# Altium PCB main - Copy.PcbDoc (part 10 of 14) (continued)
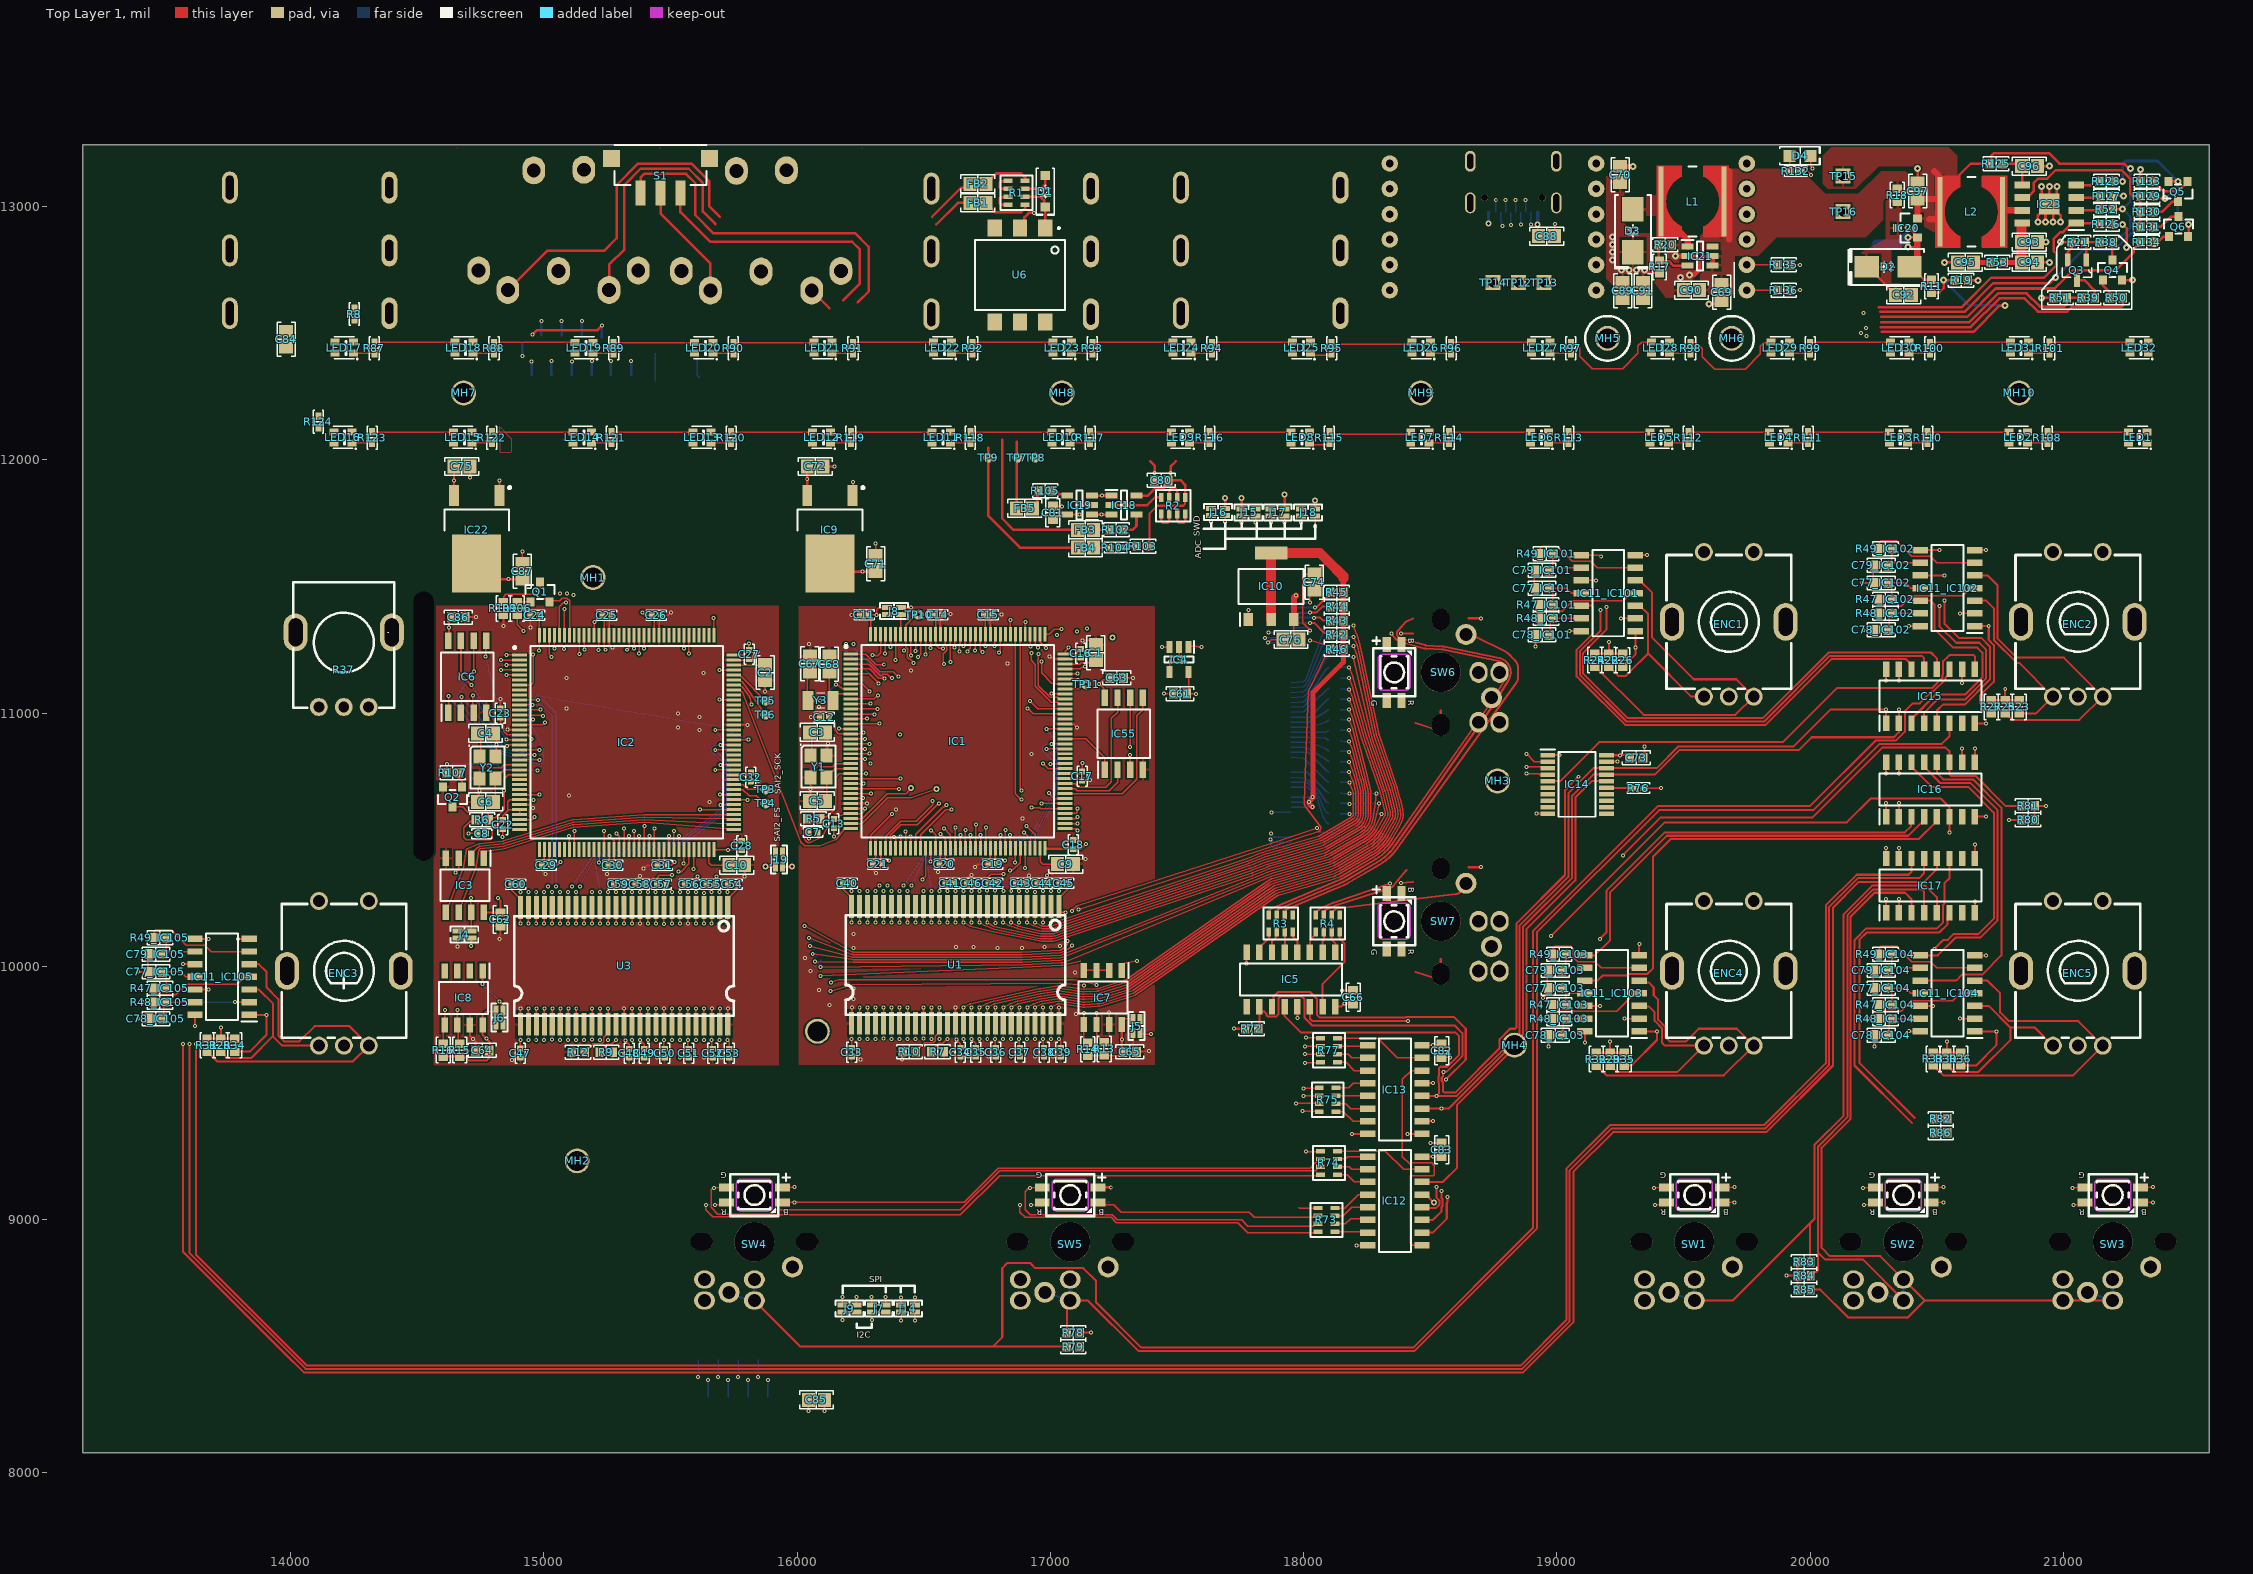
[diagram p0: Top Layer 1 view]
## Nets (pads, with @x,y where several pads share a name; then routed paths per layer and width w, separated by ;. In a path a pad name is that pad's centre, name@x,y a point inside that pad or via, vN(x,y) a via of type N, cw(c..) or ccw(c..) an arc to the next point about the centre after c; other vN are vias at no path point) (continued)
  Top Layer 1 w8: R72.1@17820,9753.82 17825,9758.82 IC5.10@17825,9830.22 ; IC5.10@17825,9841.54 IC5.10@17825,9830.22 ; IC12.10@18467.28,8948.82 18510,8948.82 18565,9003.82 18565,9066.3 18567.77,9069.07 v1(18567.77,9090.17) ; IC13.10@18467.28,9388.82 v1(18510,9388.82) ; v1(19085,10748.82) 19032,10695.82 19032,10360.82 18839.99,10168.81 18839.99,9758.51 18835.31,9753.82 18814.75,9753.82 18774.07,9713.14 18774.07,9677.89 18598,9501.82 18554.69,9501.82 18550,9506.51 18550,9542.54 18545.28,9547.26 18545.28,9561.23 18550,9565.94 18550,9576.47 18550.39,9576.86 18550.39,9582.34 v1(18551.87,9583.82) 18553.36,9585.3 18566.48,9585.3 18627,9645.82 18627,9736.82 18597.2,9766.62 18033.82,9766.62 18003.2,9797.23 18003.2,9870.61 17992.77,9881.05 17908.48,9881.05 17900,9872.57 17900,9810.5 17891.52,9802.02 17858.48,9802.02 17853.2,9807.3 17853.2,9813.33 17845.11,9821.43 17833.8,9821.43 IC5.10@17825,9830.22
  Unused w5: v1(16405.87,10915.04) 16877.93,10915.04 16955.24,10992.34 17008.68,10992.34 17073.16,10927.86 17139.9,10927.86 17271.29,11059.25 17271.29,11165.94 17345.31,11239.96 17496.15,11239.96 17834.12,11577.94 18680.88,11577.94 18840,11418.82 18840,11289.62 18928.77,11200.86 18928.77,11074.52 18852.13,10997.89 18852.13,10886.68 18884.63,10854.19 18904.63,10854.19 18915,10843.82 18955,10843.82 19050,10748.82 v1(19085,10748.82)
  Layer 3 w5: v1(16286.01,11085.73) 16333.09,11085.73 16405.87,11012.95 v1(16405.87,10915.04)
  Layer 3 w8: v1(18510,9388.82) 18510,9479.96 18508.13,9481.83 18508.13,9496.94 18521.69,9510.51 18528.31,9510.51 18531.56,9507.26 ; v1(18551.87,9583.82) 18550.66,9583.82 18537.21,9570.37 18536.24,9570.37 18531.56,9565.69 18531.56,9507.26 ; v1(18567.77,9090.17) 18567.77,9114.92 18560,9122.68 18560,9429.96 18561.87,9431.83 18561.87,9476.94 18531.56,9507.26
GUI_NRST: C7.2 IC1.25 J20.A5 R5.2 | length 5372.7
  Top Layer 1 w5: C7.2@16080,10528.82 16080,10573.23 R5.2@16090.59,10583.82 16096.92,10590.15 16117.06,10590.15 16151.63,10624.73 16151.63,10745.45 16167.05,10760.87 IC1.25@16212.24,10760.87 16212.91,10761.53 16271.42,10761.53 v1(16272.09,10762.2)
  Unused w5: v1(16421.86,11246.58) 16446.18,11246.58 16461.05,11261.44 16473.79,11261.44 16491.71,11243.52 16496.66,11243.52 16500.72,11247.58 16515.67,11247.58 16521.03,11242.22 16551.6,11242.22 16565,11228.82 16615.44,11228.82 16625.91,11218.34 16729.52,11218.34 16733.76,11222.58 16872.45,11222.58 16988.83,11106.2 17033.83,11106.2 17071.04,11069 17124.11,11069 17160.78,11105.66 17160.78,11130.45 17181.69,11151.37 17181.69,11289.98 17590.7,11698.99 18483.13,11698.99 18640.37,11856.23 18640.37,12723.51 18785.16,12868.3 v1(18785.16,12923.92)
  Layer 3 w5: v1(16272.09,10762.2) 16232.14,10802.15 ; v1(16421.86,11246.58) 16413.87,11204.34 cw(c16388.94,11209.06) 16374.59,11188.13 16350.85,11204.46 ; 16230.7,10805.66 ccw(c16235.7,10805.66) 16232.14,10802.15 ; 16230.7,10805.66 ccw(c16235.7,10805.66) 16232.14,10802.15 ; 16230.7,10805.66 ccw(c16235.7,10805.66) 16232.14,10802.15 ; 16230.7,10805.66 ccw(c16235.7,10805.66) 16232.14,10802.15 ; 16230.7,10805.66 ccw(c16235.7,10805.66) 16232.14,10802.15 ; 16230.7,10805.66 ccw(c16235.7,10805.66) 16232.14,10802.15 ; 16230.7,10805.66 ccw(c16235.7,10805.66) 16232.14,10802.15 ; 16230.7,10805.66 ccw(c16235.7,10805.66) 16232.14,10802.15 ; 16230.7,10805.66 ccw(c16235.7,10805.66) 16232.14,10802.15 ; 16230.7,10805.66 ccw(c16235.7,10805.66) 16232.14,10802.15 ; 16230.7,10805.66 ccw(c16235.7,10805.66) 16232.14,10802.15 ; 16230.7,10805.66 ccw(c16235.7,10805.66) 16232.14,10802.15 ; 16230.7,10805.66 ccw(c16235.7,10805.66) 16232.14,10802.15 ; 16230.7,10805.66 ccw(c16235.7,10805.66) 16232.14,10802.15 ; 16230.7,10805.66 ccw(c16235.7,10805.66) 16232.14,10802.15 ; 16230.7,10805.66 ccw(c16235.7,10805.66) 16232.14,10802.15 ; 16230.7,10805.66 16230.68,10978.64 cw(c16276.06,10978.64) 16230.79,10981.78 16234.95,11041.91 ; 16234.95,11041.91 cw(c16290.2,11038.08) 16235.24,11044.84 ; 16234.95,11041.91 cw(c16290.2,11038.08) 16235.24,11044.84 ; 16234.95,11041.91 cw(c16290.2,11038.08) 16235.24,11044.84 ; 16234.95,11041.91 cw(c16290.2,11038.08) 16235.24,11044.84 ; 16234.95,11041.91 cw(c16290.2,11038.08) 16235.24,11044.84 ; 16234.95,11041.91 cw(c16290.2,11038.08) 16235.24,11044.84 ; 16234.95,11041.91 cw(c16290.2,11038.08) 16235.24,11044.84 ; 16234.95,11041.91 cw(c16290.2,11038.08) 16235.24,11044.84 ; 16234.95,11041.91 cw(c16290.2,11038.08) 16235.24,11044.84 ; 16234.95,11041.91 cw(c16290.2,11038.08) 16235.24,11044.84 ; 16234.95,11041.91 cw(c16290.2,11038.08) 16235.24,11044.84 ; 16234.95,11041.91 cw(c16290.2,11038.08) 16235.24,11044.84 ; 16234.95,11041.91 cw(c16290.2,11038.08) 16235.24,11044.84 ; 16234.95,11041.91 cw(c16290.2,11038.08) 16235.24,11044.84 ; 16234.95,11041.91 cw(c16290.2,11038.08) 16235.24,11044.84 ; 16234.95,11041.91 cw(c16290.2,11038.08) 16235.24,11044.84 ; 16235.24,11044.84 16240.98,11091.28 cw(c16286.01,11085.73) 16252.47,11116.29 16330.72,11202.18 ; 16330.72,11202.18 cw(c16342.09,11191.83) 16350.85,11204.46 ; 16330.72,11202.18 cw(c16342.09,11191.83) 16350.85,11204.46 ; 16330.72,11202.18 cw(c16342.09,11191.83) 16350.85,11204.46 ; 16330.72,11202.18 cw(c16342.09,11191.83) 16350.85,11204.46 ; 16330.72,11202.18 cw(c16342.09,11191.83) 16350.85,11204.46 ; 16330.72,11202.18 cw(c16342.09,11191.83) 16350.85,11204.46 ; 16330.72,11202.18 cw(c16342.09,11191.83) 16350.85,11204.46 ; 16330.72,11202.18 cw(c16342.09,11191.83) 16350.85,11204.46 ; 16330.72,11202.18 cw(c16342.09,11191.83) 16350.85,11204.46 ; 16330.72,11202.18 cw(c16342.09,11191.83) 16350.85,11204.46 ; 16330.72,11202.18 cw(c16342.09,11191.83) 16350.85,11204.46 ; 16330.72,11202.18 cw(c16342.09,11191.83) 16350.85,11204.46 ; 16330.72,11202.18 cw(c16342.09,11191.83) 16350.85,11204.46 ; 16330.72,11202.18 cw(c16342.09,11191.83) 16350.85,11204.46 ; 16330.72,11202.18 cw(c16342.09,11191.83) 16350.85,11204.46 ; 16330.72,11202.18 cw(c16342.09,11191.83) 16350.85,11204.46
  Bottom 6+gnd w5: J20.A5@18778.6,12978.4 18778.6,12941.8 18783.11,12937.29 18783.11,12925.98 v1(18785.16,12923.92)
GUI_SWD.CLK_1: IC1.109 J17.1 J20.A8 | length 3277.6
  Top Layer 1 w5: IC1.109@16979.49,11311.57 16980.12,11312.2 16995.7,11312.2 17015.41,11331.91 v1(17043.65,11331.91) ; v1@17870,11752.72 J17.1@17870,11778.82
  Unused w5: v1(17870.12,11752.6) 17886.42,11768.9 18468.12,11768.9 18600.37,11901.14 18600.37,12740.08 18699.39,12839.1 18699.39,12944.74 18761.98,13007.33 18805.26,13007.33 18819.18,13021.25 18819.18,13033.26 18828.05,13042.13 18861.22,13042.13 v1(18876.59,13026.75)
  Layer 3 w5: v1(17043.65,11331.91) 17059.36,11331.91 17507.71,11780.26 17842.45,11780.26 v1(17870.12,11752.6)
  Bottom 6+gnd w5: J20.A8@18877.02,12978.4 v1@18877.02,13026.32
GUI_SWD.IO_1: IC1.105 J18.1 J20.A7 | length 3480.6
  Top Layer 1 w5: IC1.105@17057.76,11174.25 17057.87,11174.37 17118.45,11174.37 17126.16,11182.08 17134.35,11182.08 v1(17136.4,11184.13) ; v1@17990,11752.72 J18.1@17990,11778.82
  Unused w5: v1(17025.37,11308.31) 17060.98,11308.31 17136.4,11232.89 v1(17136.4,11184.13) ; v1(17990.12,11752.6) 18465.97,11752.6 18610.37,11897 18610.37,12735.94 18709.39,12834.96 18709.39,12940.6 18766.12,12997.33 18820.63,12997.33 18837.76,13014.47 18837.76,13026.21 v1(18837.22,13026.75)
  Layer 3 w5: v1(17025.37,11308.31) 17025.29,11308.39 17025.29,11335.29 17037.28,11347.28 17060.59,11347.28 17503.57,11790.26 17953.74,11790.26 17990.12,11753.89 v1(17990.12,11752.6)
  Bottom 6+gnd w5: J20.A7@18837.65,12978.4 v1@18837.65,13026.32
GUI_SWD.SWO_1: IC1.133 J20.A6 | length 3918.2
  Top Layer 1 w5: v1(16507.09,11232.2) IC1.133@16507.07,11311.55
  Unused w5: v1(16507.09,11232.2) 16547.47,11232.2 16562.16,11217.52 16612.59,11217.52 16621.77,11208.34 16734.52,11208.34 16737.3,11211.12 16867.7,11211.12 16984.08,11094.74 17029.08,11094.74 17064.82,11059 17128.25,11059 17170.78,11101.52 17170.78,11124.24 17193.16,11146.62 17193.16,11287.3 17594.84,11688.99 18489.34,11688.99 18650.37,11850.01 18650.37,12719.37 18818.4,12887.4 v1(18818.4,12928.05)
  Bottom 6+gnd w5: J20.A6@18817.97,12978.4 18818.18,12978.19 18818.18,12928.27 v1(18818.4,12928.05)
I2C1_SCL: IC2.139 IC8.6 J1.12 R15.1 | length 3577.5
  Top Layer 1 w5: v1(14660,9828.82) 14658.33,9827.15 IC8.6@14658.33,9768.49 14662.09,9764.73 14662.09,9701.51 R15.1@14668.33,9695.26 ; IC2.139@15080.7,11307.38 15080.7,11410.25 v1(15081.4,11410.96)
  Unused w5: v1(14660,9828.82) 14660,9928.82 14792.68,10061.5 14792.68,10756.14 14767.5,10781.32 14767.5,11151.32 14800,11183.82 14800,11243.82 14964.09,11407.91 cw(c14967.61,11404.35) 14964.39,11408.18 15053.92,11483.5 cw(c15063.8,11471.72) 15063.82,11487.09 15091.14,11487.06 cw(c15091.13,11471.69) 15094.11,11486.77 15120.76,11481.5 cw(c15117.78,11466.41) 15128.35,11455.25 15097.31,11425.88 cw(c15086.75,11437.04) 15097.26,11425.83 v1(15081.4,11410.96)
  Layer 3 w5: 14485,12275.86 14529.14,12320 15275,12320 v1(15345,12390) ; v1(15081.4,11410.96) 15083.46,11413.02 15100.26,11413.02 15143.15,11455.9 15143.15,11479.81 15105,11517.96 15105,11724.68
  Bottom 6+gnd w10: J1.12@15345,12336.73 v1(15345,12390)
I2C1_SCL_6: IC1.139 IC7.6 R13.1 | length 3306
  Top Layer 1 w5: v1(16133.17,9936.49) 16163.94,9946.7 ; v1(16388.94,11209.05) IC1.139@16388.94,11311.57 ; v1(17182.09,9927.2) 17135.92,9939.52 ; v1(17182.13,9815.69) 17182.13,9770.48 IC7.6@17182.09,9770.43 17182.09,9727.64 17210.12,9699.61 R13.1@17212.09,9699.61 ; 16163.94,9946.7 cw(c16167.09,9937.2) 16167.09,9947.2 ; 16163.94,9946.7 cw(c16167.09,9937.2) 16167.09,9947.2 ; 16163.94,9946.7 cw(c16167.09,9937.2) 16167.09,9947.2 ; 16163.94,9946.7 cw(c16167.09,9937.2) 16167.09,9947.2 ; 16163.94,9946.7 cw(c16167.09,9937.2) 16167.09,9947.2 ; 16163.94,9946.7 cw(c16167.09,9937.2) 16167.09,9947.2 ; 16163.94,9946.7 cw(c16167.09,9937.2) 16167.09,9947.2 ; 16163.94,9946.7 cw(c16167.09,9937.2) 16167.09,9947.2 ; 16163.94,9946.7 cw(c16167.09,9937.2) 16167.09,9947.2 ; 16163.94,9946.7 cw(c16167.09,9937.2) 16167.09,9947.2 ; 16163.94,9946.7 cw(c16167.09,9937.2) 16167.09,9947.2 ; 16163.94,9946.7 cw(c16167.09,9937.2) 16167.09,9947.2 ; 16163.94,9946.7 cw(c16167.09,9937.2) 16167.09,9947.2 ; 16163.94,9946.7 cw(c16167.09,9937.2) 16167.09,9947.2 ; 16163.94,9946.7 cw(c16167.09,9937.2) 16167.09,9947.2 ; 16163.94,9946.7 cw(c16167.09,9937.2) 16167.09,9947.2 ; 16167.09,9947.2 17094.81,9947.2 ; 17094.81,9947.2 cw(c17094.81,9937.2) 17096.68,9947.03 ; 17094.81,9947.2 cw(c17094.81,9937.2) 17096.68,9947.03 ; 17094.81,9947.2 cw(c17094.81,9937.2) 17096.68,9947.03 ; 17094.81,9947.2 cw(c17094.81,9937.2) 17096.68,9947.03 ; 17094.81,9947.2 cw(c17094.81,9937.2) 17096.68,9947.03 ; 17094.81,9947.2 cw(c17094.81,9937.2) 17096.68,9947.03 ; 17094.81,9947.2 cw(c17094.81,9937.2) 17096.68,9947.03 ; 17094.81,9947.2 cw(c17094.81,9937.2) 17096.68,9947.03 ; 17094.81,9947.2 cw(c17094.81,9937.2) 17096.68,9947.03 ; 17094.81,9947.2 cw(c17094.81,9937.2) 17096.68,9947.03 ; 17094.81,9947.2 cw(c17094.81,9937.2) 17096.68,9947.03 ; 17094.81,9947.2 cw(c17094.81,9937.2) 17096.68,9947.03 ; 17094.81,9947.2 cw(c17094.81,9937.2) 17096.68,9947.03 ; 17094.81,9947.2 cw(c17094.81,9937.2) 17096.68,9947.03 ; 17094.81,9947.2 cw(c17094.81,9937.2) 17096.68,9947.03 ; 17094.81,9947.2 cw(c17094.81,9937.2) 17096.68,9947.03 ; 17096.68,9947.03 17134.83,9939.77 ; 17134.83,9939.77 cw(c17131.96,9924.67) 17135.92,9939.52 ; 17134.83,9939.77 cw(c17131.96,9924.67) 17135.92,9939.52 ; 17134.83,9939.77 cw(c17131.96,9924.67) 17135.92,9939.52 ; 17134.83,9939.77 cw(c17131.96,9924.67) 17135.92,9939.52 ; 17134.83,9939.77 cw(c17131.96,9924.67) 17135.92,9939.52 ; 17134.83,9939.77 cw(c17131.96,9924.67) 17135.92,9939.52 ; 17134.83,9939.77 cw(c17131.96,9924.67) 17135.92,9939.52 ; 17134.83,9939.77 cw(c17131.96,9924.67) 17135.92,9939.52 ; 17134.83,9939.77 cw(c17131.96,9924.67) 17135.92,9939.52 ; 17134.83,9939.77 cw(c17131.96,9924.67) 17135.92,9939.52 ; 17134.83,9939.77 cw(c17131.96,9924.67) 17135.92,9939.52 ; 17134.83,9939.77 cw(c17131.96,9924.67) 17135.92,9939.52 ; 17134.83,9939.77 cw(c17131.96,9924.67) 17135.92,9939.52 ; 17134.83,9939.77 cw(c17131.96,9924.67) 17135.92,9939.52 ; 17134.83,9939.77 cw(c17131.96,9924.67) 17135.92,9939.52 ; 17134.83,9939.77 cw(c17131.96,9924.67) 17135.92,9939.52
  Layer 3 w5: v1(16133.17,9936.49) 16133.17,10479.8 16190.68,10537.31 16190.68,11170.85 ; v1(16388.94,11209.05) 16359.1,11244.93 ccw(c16347.28,11235.1) 16348.61,11250.41 16300.44,11254.6 ; v1(17182.13,9815.69) v1(17182.09,9927.2) ; 16190.68,11170.85 cw(c16195.68,11170.85) 16192.12,11174.36 ; 16190.68,11170.85 cw(c16195.68,11170.85) 16192.12,11174.36 ; 16190.68,11170.85 cw(c16195.68,11170.85) 16192.12,11174.36 ; 16190.68,11170.85 cw(c16195.68,11170.85) 16192.12,11174.36 ; 16190.68,11170.85 cw(c16195.68,11170.85) 16192.13,11174.37 16195.11,11177.35 cw(c16205.68,11166.71) 16196.18,11178.32 16282.13,11248.93 ; 16282.13,11248.93 cw(c16298.24,11229.33) 16300.44,11254.61 ; 16282.13,11248.93 cw(c16298.24,11229.33) 16300.44,11254.61 ; 16282.13,11248.93 cw(c16298.24,11229.33) 16300.44,11254.61 ; 16282.13,11248.93 cw(c16298.24,11229.33) 16300.44,11254.61 ; 16282.13,11248.93 cw(c16298.24,11229.33) 16300.44,11254.61 ; 16282.13,11248.93 cw(c16298.24,11229.33) 16300.44,11254.61 ; 16282.13,11248.93 cw(c16298.24,11229.33) 16300.44,11254.61 ; 16282.13,11248.93 cw(c16298.24,11229.33) 16300.44,11254.61 ; 16282.13,11248.93 cw(c16298.24,11229.33) 16300.44,11254.61 ; 16282.13,11248.93 cw(c16298.24,11229.33) 16300.44,11254.61 ; 16282.13,11248.93 cw(c16298.24,11229.33) 16300.44,11254.61 ; 16282.13,11248.93 cw(c16298.24,11229.33) 16300.44,11254.61 ; 16282.13,11248.93 cw(c16298.24,11229.33) 16300.44,11254.61 ; 16282.13,11248.93 cw(c16298.24,11229.33) 16300.44,11254.61 ; 16282.13,11248.93 cw(c16298.24,11229.33) 16300.44,11254.61 ; 16282.13,11248.93 cw(c16298.24,11229.33) 16300.44,11254.61
I2C1_SDA: IC2.140 IC8.5 J1.10 R16.1 | length 3647.7
  Top Layer 1 w5: R16.1@14603.33,9695.26 14603.33,9763.49 IC8.5@14608.33,9768.49 14608.33,9827.15 v1(14610,9828.82) ; IC2.140@15061.01,11307.38 15061.01,11419.83 15076.61,11435.43 15085.14,11435.43 v1(15086.75,11437.04)
  Unused w5: v1(14610,9828.82) 14650,9868.82 14650,9943.82 14775,10068.82 14775,10748.82 14755,10768.82 14755,11158.82 14785,11188.82 14785,11217.08 14785.37,11217.45 14785.37,11230.19 14785,11230.56 14785,11253.82 14953.54,11422.35 cw(c14957.05,11418.8) 14954.1,11422.83 15048.81,11492.19 cw(c15063.8,11471.72) 15063.83,11497.09 15091.16,11497.06 cw(c15091.13,11471.69) 15096.1,11496.57 15122.7,11491.31 cw(c15117.78,11466.41) 15136.65,11449.46 15092.84,11400.68 cw(c15081.4,11410.96) 15070.89,11422.18 v1(15086.75,11437.04)
  Layer 3 w5: 14475,12280 14525,12330 15205,12330 v1(15265,12390) ; v1(15086.75,11437.04) 15088.8,11439.1 15112.2,11439.1 15133.15,11460.05 15133.15,11475.67 15095,11513.82 15095,11728.82
  Bottom 6+gnd w10: J1.10@15265,12336.73 v1(15265,12390)
I2C1_SDA_6: IC1.140 IC7.5 R14.1 | length 3074
  Top Layer 1 w5: v1(16132.09,9902.2) 16217.82,9926.97 ; v1(16368.85,11260.7) 16369.05,11260.9 16369.05,11311.38 IC1.140@16369.25,11311.57 ; v1(17131.96,9924.67) 17043.26,9932.66 ; v1(17132.48,9815.65) 17132.48,9770.83 IC7.5@17132.09,9770.43 17132.09,9712.62 17146.32,9698.38 R14.1@17147.09,9698.38 ; 16217.82,9926.97 cw(c16222.09,9912.2) 16221.98,9927.58 ; 16217.82,9926.97 cw(c16222.09,9912.2) 16221.98,9927.58 ; 16217.82,9926.97 cw(c16222.09,9912.2) 16221.98,9927.58 ; 16217.82,9926.97 cw(c16222.09,9912.2) 16221.98,9927.58 ; 16217.82,9926.97 cw(c16222.09,9912.2) 16221.98,9927.58 ; 16217.82,9926.97 cw(c16222.09,9912.2) 16221.98,9927.58 ; 16217.82,9926.97 cw(c16222.09,9912.2) 16221.98,9927.58 ; 16217.82,9926.97 cw(c16222.09,9912.2) 16221.98,9927.58 ; 16217.82,9926.97 cw(c16222.09,9912.2) 16221.98,9927.58 ; 16217.82,9926.97 cw(c16222.09,9912.2) 16221.98,9927.58 ; 16217.82,9926.97 cw(c16222.09,9912.2) 16221.98,9927.58 ; 16217.82,9926.97 cw(c16222.09,9912.2) 16221.98,9927.58 ; 16217.82,9926.97 cw(c16222.09,9912.2) 16221.98,9927.58 ; 16217.82,9926.97 cw(c16222.09,9912.2) 16221.98,9927.58 ; 16217.82,9926.97 cw(c16222.09,9912.2) 16221.98,9927.58 ; 16217.82,9926.97 cw(c16222.09,9912.2) 16221.98,9927.58 ; 16221.98,9927.58 17034.05,9933.05 ; 17034.05,9933.05 cw(c17034.69,9837.68) 17043.26,9932.67 ; 17034.05,9933.05 cw(c17034.69,9837.68) 17043.26,9932.67 ; 17034.05,9933.05 cw(c17034.69,9837.68) 17043.26,9932.67 ; 17034.05,9933.05 cw(c17034.69,9837.68) 17043.26,9932.67 ; 17034.05,9933.05 cw(c17034.69,9837.68) 17043.26,9932.67 ; 17034.05,9933.05 cw(c17034.69,9837.68) 17043.26,9932.67 ; 17034.05,9933.05 cw(c17034.69,9837.68) 17043.26,9932.67 ; 17034.05,9933.05 cw(c17034.69,9837.68) 17043.26,9932.67 ; 17034.05,9933.05 cw(c17034.69,9837.68) 17043.26,9932.67 ; 17034.05,9933.05 cw(c17034.69,9837.68) 17043.26,9932.67 ; 17034.05,9933.05 cw(c17034.69,9837.68) 17043.26,9932.67 ; 17034.05,9933.05 cw(c17034.69,9837.68) 17043.26,9932.67 ; 17034.05,9933.05 cw(c17034.69,9837.68) 17043.26,9932.67 ; 17034.05,9933.05 cw(c17034.69,9837.68) 17043.26,9932.67 ; 17034.05,9933.05 cw(c17034.69,9837.68) 17043.26,9932.67 ; 17034.05,9933.05 cw(c17034.69,9837.68) 17043.26,9932.67
  Layer 3 w5: v1(16132.09,9902.2) 16117.8,9916.49 16117.8,10507.91 16180.68,10570.8 16180.68,11175 ; v1(16368.85,11260.7) 16300.27,11264.64 ccw(c16298.24,11229.33) 16275.79,11256.67 16189.81,11186.03 ccw(c16205.68,11166.71) 16188.06,11184.44 16182.13,11178.51 ; v1(17131.96,9924.67) 17132.22,9924.41 17132.22,9815.91 v1(17132.48,9815.65) ; 16180.68,11175 cw(c16185.68,11175) 16182.13,11178.51 ; 16180.68,11175 cw(c16185.68,11175) 16182.13,11178.51 ; 16180.68,11175 cw(c16185.68,11175) 16182.13,11178.51 ; 16180.68,11175 cw(c16185.68,11175) 16182.13,11178.51 ; 16180.68,11175 cw(c16185.68,11175) 16182.13,11178.51 ; 16180.68,11175 cw(c16185.68,11175) 16182.13,11178.51 ; 16180.68,11175 cw(c16185.68,11175) 16182.13,11178.51 ; 16180.68,11175 cw(c16185.68,11175) 16182.13,11178.51 ; 16180.68,11175 cw(c16185.68,11175) 16182.13,11178.51 ; 16180.68,11175 cw(c16185.68,11175) 16182.13,11178.51 ; 16180.68,11175 cw(c16185.68,11175) 16182.13,11178.51 ; 16180.68,11175 cw(c16185.68,11175) 16182.13,11178.51 ; 16180.68,11175 cw(c16185.68,11175) 16182.13,11178.51 ; 16180.68,11175 cw(c16185.68,11175) 16182.13,11178.51 ; 16180.68,11175 cw(c16185.68,11175) 16182.13,11178.51 ; 16180.68,11175 cw(c16185.68,11175) 16182.13,11178.51
I2C2_SCL: IC1.69 J7.2 | length 2992
  Top Layer 1 w5: J7.2@16294.88,8662.6 v1@16294.88,8694.34 ; v1(16895,10528.82) 16920.43,10503.38 IC1.69@16920.43,10466.06
  Unused w5: v1(16294.65,8694.57) 16237.44,8709.56 ccw(c16233.55,8694.69) 16224.96,8707.44 16187,8681.93 cw(c16178.43,8694.69) 16168.36,8706.3 16224.82,8755.31 ccw(c16215,8766.65) 16225.61,8756.04 16228.54,8758.97 ccw(c16225,8762.5) 16230,8762.5 16230,9292.25 15960,9562.25 15960,10205.58 16048.24,10293.82 16112.03,10293.82 16301.05,10482.83 16874.52,10482.83 16895,10503.31 v1(16895,10528.82)
I2C2_SDA: IC1.70 J9.2 | length 3006.5
  Top Layer 1 w5: J9.2@16233.78,8662.72 v1@16233.78,8694.46 ; v1(16905,10553.82) 16907.04,10553.82 16940.12,10520.74 IC1.70@16940.12,10466.06
  Unused w5: v1(16233.55,8694.69) 16190.11,8672.16 cw(c16178.43,8694.69) 16161.8,8713.85 16218.28,8762.87 ccw(c16215,8766.65) 16220,8766.65 16220,9288.11 15950,9558.11 15950,10209.72 16044.1,10303.82 16107.89,10303.82 16296.91,10492.83 16866.56,10492.83 16879.63,10505.9 16879.63,10535.19 16888.63,10544.19 16895.37,10544.19 v1(16905,10553.82)
I2S_CKIN: IC2.99 J1.6 | length 2949.3
  Top Layer 1 w5: v1(15692.95,11053.05) 15694.05,11051.95 IC2.99@15749.52,11051.95
  Unused w5: v1(15117.78,11466.41) 15097.2,11457.56 cw(c15091.13,11471.69) 15096.66,11457.34 15081.22,11451.39 ccw(c15086.75,11437.04) 15075.89,11447.93 15057.47,11429.51 ccw(c15061.03,11425.99) 15056.03,11425.99 15056.03,11262.04 15060,11258.07 15060,10638.82 15075,10623.82 15570,10623.82 15655,10708.82 15655,11015.1 v1(15692.95,11053.05)
  Layer 3 w5: 14465,12300.86 14514.57,12350.43 15072.05,12350.43 v1(15110.53,12388.91) ; 15085,11749.68 15085,11499.56 15117.78,11466.78 v1(15117.78,11466.41)
  Bottom 6+gnd w10: J1.6@15110,12336.73 15110,12388.38 v1(15110.53,12388.91)
LATCH_1: IC5.12 IC12.12 IC13.12 IC14.18 IC15.1 IC16.1 IC17.1 | length 5379.9
  Top Layer 1 w8: IC5.12@17925,9841.54 17925.11,9841.43 17925.11,9803.71 17990,9738.82 18600,9738.82 18614,9724.82 18614,9651.2 18566.62,9603.82 18539.69,9603.82 18535,9599.13 18535,9569.33 18532.28,9566.61 18532.28,9541.87 18535,9539.16 18535,9498.82 v1(18525,9488.82) ; IC12.12@18467.28,9048.82 18469.79,9046.31 18523.27,9046.31 18535.46,9058.51 18535.46,9075.75 18525,9086.21 18525,9128.67 v1(18524.4,9129.27) ; IC13.12@18467.28,9488.82 v1(18525,9488.82) ; IC17.1@20300,10211.53 v1(20300,10266.1) ; IC16.1@20300,10591.53 v1(20300,10646.1) ; IC15.1@20300,10959.25 v1(20300,11013.82) 20080,11013.82 19935,10868.82 19480,10868.82 19393.98,10782.79 IC14.18@19195.67,10782.79 19143.98,10782.79 19045,10683.82 19045,10353.82 18852.99,10161.81 18852.99,9736.81 18605,9488.82 v1(18525,9488.82)
  Layer 3 w8: v1(18524.4,9129.27) 18524.4,9379.36 18526.87,9381.83 18526.87,9395.81 18524.4,9398.28 18524.4,9488.22 v1(18525,9488.82) ; v1(20300,10266.1) v1(20300,11013.82)
LCD_RESET: H3.41 IC1.96 R46.1 | length 5517.9
  Top Layer 1 w5: v1(16046.71,10112.2) 16213.01,10048.51 ccw(c16222.09,10072.2) 16222.09,10046.83 16887.09,10046.83 ccw(c16887.09,10072.2) 16888.37,10046.86 17039.56,10054.68 ccw(c17038.25,10080.02) 17050.71,10057.92 17072.47,10070.19 v1(17085.83,10082.13) ; v1(16910,11018.82) 16931.73,10997.09 IC1.96@17057.76,10997.09 ; v1(17110.25,10223.87) 17842.12,10461.81 cw(c17906.89,10262.58) 17842.27,10461.86 18056.6,10531.36 ccw(c18051.86,10545.99) 18064.19,10555.17 18006.53,10632.61 cw(c18020.57,10643.06) 18003.07,10643.06 18003.07,10648.74 cw(c18020.57,10648.74) 18003.08,10649.39 18018.93,11081.35 cw(c18036.42,11080.71) 18020.63,11088.26 18091.19,11235.78 R46.1@18105.42,11251.98 18091.19,11268.19 v1(18025.42,11286.98)
  Layer 3 w5: v1(16046.71,10112.2) 16047.09,10112.58 16047.09,10481.35 16031.67,10496.76 16031.67,10521.79 16087.09,10577.2 16087.09,10995.18 16086.16,10996.1 16086.16,10996.39 16086.16,10997.98 16085.24,10999.28 16074.18,11014.87 cw(c16086.71,11023.77) 16071.34,11023.77 16071.34,11052.2 cw(c16086.71,11052.2) 16072.14,11057.11 16149.06,11286.6 cw(c16192.09,11272.2) 16159.94,11304.22 16163.81,11308.1 cw(c16188.49,11283.28) 16188.49,11318.28 16765.15,11318.28 16904.59,11178.84 16904.59,11041.1 16910,11035.69 v1(16910,11018.82) ; v1(17085.83,10082.13) 17110,10106.29 17110,10223.62 v1(17110.25,10223.87)
  Bottom 6+gnd w5: H3.41@17950,11258.46 17998.68,11261.87 18005.13,11265.87 ccw(c18001.18,11272.25) 18006.63,11267.1 v1(18025.42,11286.98)
LDQM1_7: IC2.141 R9.2 U3.15 U4.15 | length 4687.3
  Top Layer 1 w5: IC2.141@15041.33,11307.38 15041.48,11307.17 15041.48,11254.84 v1(15041.7,11254.63) ; R9.2@15220.52,9660.61 15220.52,9662.58 15250.46,9692.53 15267.19,9692.53 v1(15284.96,9710.3) ; v1@15285.2,10170.19 U3.15@15285.2,10232.03
  Layer 3 w5: v1(15041.7,11254.63) 14896.71,11109.64 14896.7,11090.81 14896.67,10533.22 cw(c14891.67,10533.25) 14895.48,10530 14853.45,10480.75 ccw(c14895.27,10445.04) 14841.57,10456.9 14841.07,10454.64 ccw(c14875.25,10447.09) 14840.25,10447.14 14840.25,10444.91 14841.75,9709.3 14841.75,9709.17 ; v1(15284.96,10169.94) 15284.96,9709.31 v1(15284.96,9710.3) 15284.51,9709.31 cw(c15279.96,9711.38) 15282.68,9707.19 15240.62,9679.87 cw(c15232.45,9692.45) 15237.44,9678.3 15177.42,9657.1 cw(c15158.97,9709.31) 15176.3,9656.72 15147.94,9647.38 ; 14841.75,9709.17 ccw(c14907.12,9709.43) 14906.89,9644.05 ; 14841.75,9709.17 ccw(c14907.12,9709.43) 14906.89,9644.05 ; 14841.75,9709.17 ccw(c14907.12,9709.43) 14906.89,9644.05 ; 14841.75,9709.17 ccw(c14907.12,9709.43) 14906.89,9644.05 ; 14841.75,9709.17 ccw(c14907.12,9709.43) 14906.89,9644.05 ; 14841.75,9709.17 ccw(c14907.12,9709.43) 14906.89,9644.05 ; 14841.75,9709.17 ccw(c14907.12,9709.43) 14906.89,9644.05 ; 14841.75,9709.17 ccw(c14907.12,9709.43) 14906.89,9644.05 ; 14841.75,9709.17 ccw(c14907.12,9709.43) 14906.89,9644.05 ; 14841.75,9709.17 ccw(c14907.12,9709.43) 14906.89,9644.05 ; 14841.75,9709.17 ccw(c14907.12,9709.43) 14906.89,9644.05 ; 14841.75,9709.17 ccw(c14907.12,9709.43) 14906.89,9644.05 ; 14841.75,9709.17 ccw(c14907.12,9709.43) 14906.89,9644.05 ; 14841.75,9709.17 ccw(c14907.12,9709.43) 14906.89,9644.05 ; 14841.75,9709.17 ccw(c14907.12,9709.43) 14906.89,9644.05 ; 14841.75,9709.17 ccw(c14907.12,9709.43) 14906.89,9644.05 ; 14906.89,9644.05 14938.35,9643.94 ccw(c14938.46,9673.94) 14938.46,9643.94 15064.63,9643.94 15127.66,9644.1 ; 15127.66,9644.1 ccw(c15127.48,9709.47) 15147.94,9647.38 ; 15127.66,9644.1 ccw(c15127.48,9709.47) 15147.94,9647.38 ; 15127.66,9644.1 ccw(c15127.48,9709.47) 15147.94,9647.38 ; 15127.66,9644.1 ccw(c15127.48,9709.47) 15147.94,9647.38 ; 15127.66,9644.1 ccw(c15127.48,9709.47) 15147.94,9647.38 ; 15127.66,9644.1 ccw(c15127.48,9709.47) 15147.94,9647.38 ; 15127.66,9644.1 ccw(c15127.48,9709.47) 15147.94,9647.38 ; 15127.66,9644.1 ccw(c15127.48,9709.47) 15147.94,9647.38 ; 15127.66,9644.1 ccw(c15127.48,9709.47) 15147.94,9647.38 ; 15127.66,9644.1 ccw(c15127.48,9709.47) 15147.94,9647.38 ; 15127.66,9644.1 ccw(c15127.48,9709.47) 15147.94,9647.38 ; 15127.66,9644.1 ccw(c15127.48,9709.47) 15147.94,9647.38 ; 15127.66,9644.1 ccw(c15127.48,9709.47) 15147.94,9647.38 ; 15127.66,9644.1 ccw(c15127.48,9709.47) 15147.94,9647.38 ; 15127.66,9644.1 ccw(c15127.48,9709.47) 15147.94,9647.38 ; 15127.66,9644.1 ccw(c15127.48,9709.47) 15147.94,9647.38
  Bottom 6+gnd w5: v1@15285.2,9709.56 U4.15@15285.2,9771.4
LDQM_6: IC1.141 R7.2 U1.15 U2.15 | length 3172.6
  Top Layer 1 w5: v1(16347.28,11235.1) 16348.42,11236.24 16348.42,11310.43 IC1.141@16349.57,11311.57 ; R7.2@16528.82,9663.82 16528.82,9665.79 16558.76,9695.73 16575.49,9695.73 v1(16593.26,9713.5) ; v1(16593.26,10174.13) U1.15@16593.26,10235.97 ; v1@16593.5,10174.38 U1.15@16593.5,10236.22
  Layer 3 w5: 16202.51,11170.57 16288.48,11241.21 ; 16202.51,11170.58 ccw(c16205.68,11166.71) 16200.68,11166.71 16200.68,10533.17 16150.01,10482.5 ccw(c16153.55,10478.97) 16148.55,10478.97 16148.55,10450.26 16150.05,9713.46 ccw(c16215.42,9713.62) 16215.17,9648.24 16246.56,9648.13 16481.47,9647.93 ; v1(16347.28,11235.1) 16301.28,11244.4 ; 16481.48,9647.93 16525.62,9647.93 ccw(c16525.62,9652.93) 16529.15,9649.4 v1(16593.26,9713.5) v1(16593.26,10174.13) ; 16288.48,11241.21 cw(c16298.24,11229.33) 16301.28,11244.4 ; 16288.48,11241.21 cw(c16298.24,11229.33) 16301.28,11244.4 ; 16288.48,11241.21 cw(c16298.24,11229.33) 16301.28,11244.4 ; 16288.48,11241.21 cw(c16298.24,11229.33) 16301.28,11244.4 ; 16288.48,11241.21 cw(c16298.24,11229.33) 16301.28,11244.4 ; 16288.48,11241.21 cw(c16298.24,11229.33) 16301.28,11244.4 ; 16288.48,11241.21 cw(c16298.24,11229.33) 16301.28,11244.4 ; 16288.48,11241.21 cw(c16298.24,11229.33) 16301.28,11244.4 ; 16288.48,11241.21 cw(c16298.24,11229.33) 16301.28,11244.4 ; 16288.48,11241.21 cw(c16298.24,11229.33) 16301.28,11244.4 ; 16288.48,11241.21 cw(c16298.24,11229.33) 16301.28,11244.4 ; 16288.48,11241.21 cw(c16298.24,11229.33) 16301.28,11244.4 ; 16288.48,11241.21 cw(c16298.24,11229.33) 16301.28,11244.4 ; 16288.48,11241.21 cw(c16298.24,11229.33) 16301.28,11244.4 ; 16288.48,11241.21 cw(c16298.24,11229.33) 16301.28,11244.4 ; 16288.48,11241.21 cw(c16298.24,11229.33) 16301.28,11244.4
  Bottom 6+gnd w5: v1@16593.5,9713.75 U2.15@16593.5,9775.59
LED_DN_B_1: R4.3 SW7.2 | length 373.5
  Top Layer 1 w8: R4.3@18079.25,10218.59 18097.87,10227.89 cw(c18101.89,10219.84) 18098.17,10228.04 18124.3,10239.88 cw(c18133.39,10219.84) 18126.59,10240.77 18346.09,10312.1 ccw(c18340.87,10328.15) 18353.94,10317.47 18371.93,10339.5 cw(c18385,10328.82) 18372.07,10339.66 18405.57,10379.61
LED_DN_G_1: R4.4 SW7.1 | length 416
  Top Layer 1 w8: R4.4@18047.76,10202.13 18052.61,10215.84 18064.34,10226.5 cw(c18070.39,10219.84) 18066.68,10228.04 18092.81,10239.88 18118.94,10251.72 cw(c18133.39,10219.84) 18122.01,10252.94 v1(18340.87,10328.15) ; v1(18385,10328.82) 18405.57,10330.55 18431.1,10332.69
  Layer 3 w8: v1(18340.87,10328.15) 18384.33,10328.15 v1(18385,10328.82)
LED_DN_R_1: R4.2 SW7.4 | length 584.3
  Top Layer 1 w8: R4.2@18110.75,10202.13 18115.61,10215.84 18127.33,10226.5 cw(c18133.39,10219.84) 18132.31,10228.78 18601.26,10285.32 ccw(c18599.59,10299.22) 18604.94,10286.29 18610.73,10288.68 ccw(c18605.37,10301.62) 18615.27,10291.72 18619.7,10296.15 ccw(c18609.8,10306.05) 18622.74,10300.69 18625.13,10306.48 ccw(c18612.2,10311.83) 18626.11,10310.25 ccw(c18612.2,10311.84) 18626.2,10311.84 18626.2,10314.97 18626.2,10320.55 18651.57,10332.69